# Altium PCB BitFury.PcbDoc (part 4 of 4)
Units mm, origin at the board's own origin, x right, y up, seen from the top; angles counter-clockwise.
Board outline 90.25 x 131.5 mm, 4 copper layers (Top Layer, Mid-Top Layer, Mid-Bottom Layer, Bottom Layer); 611 components, 148 nets, 2252 pads, 2038 vias.
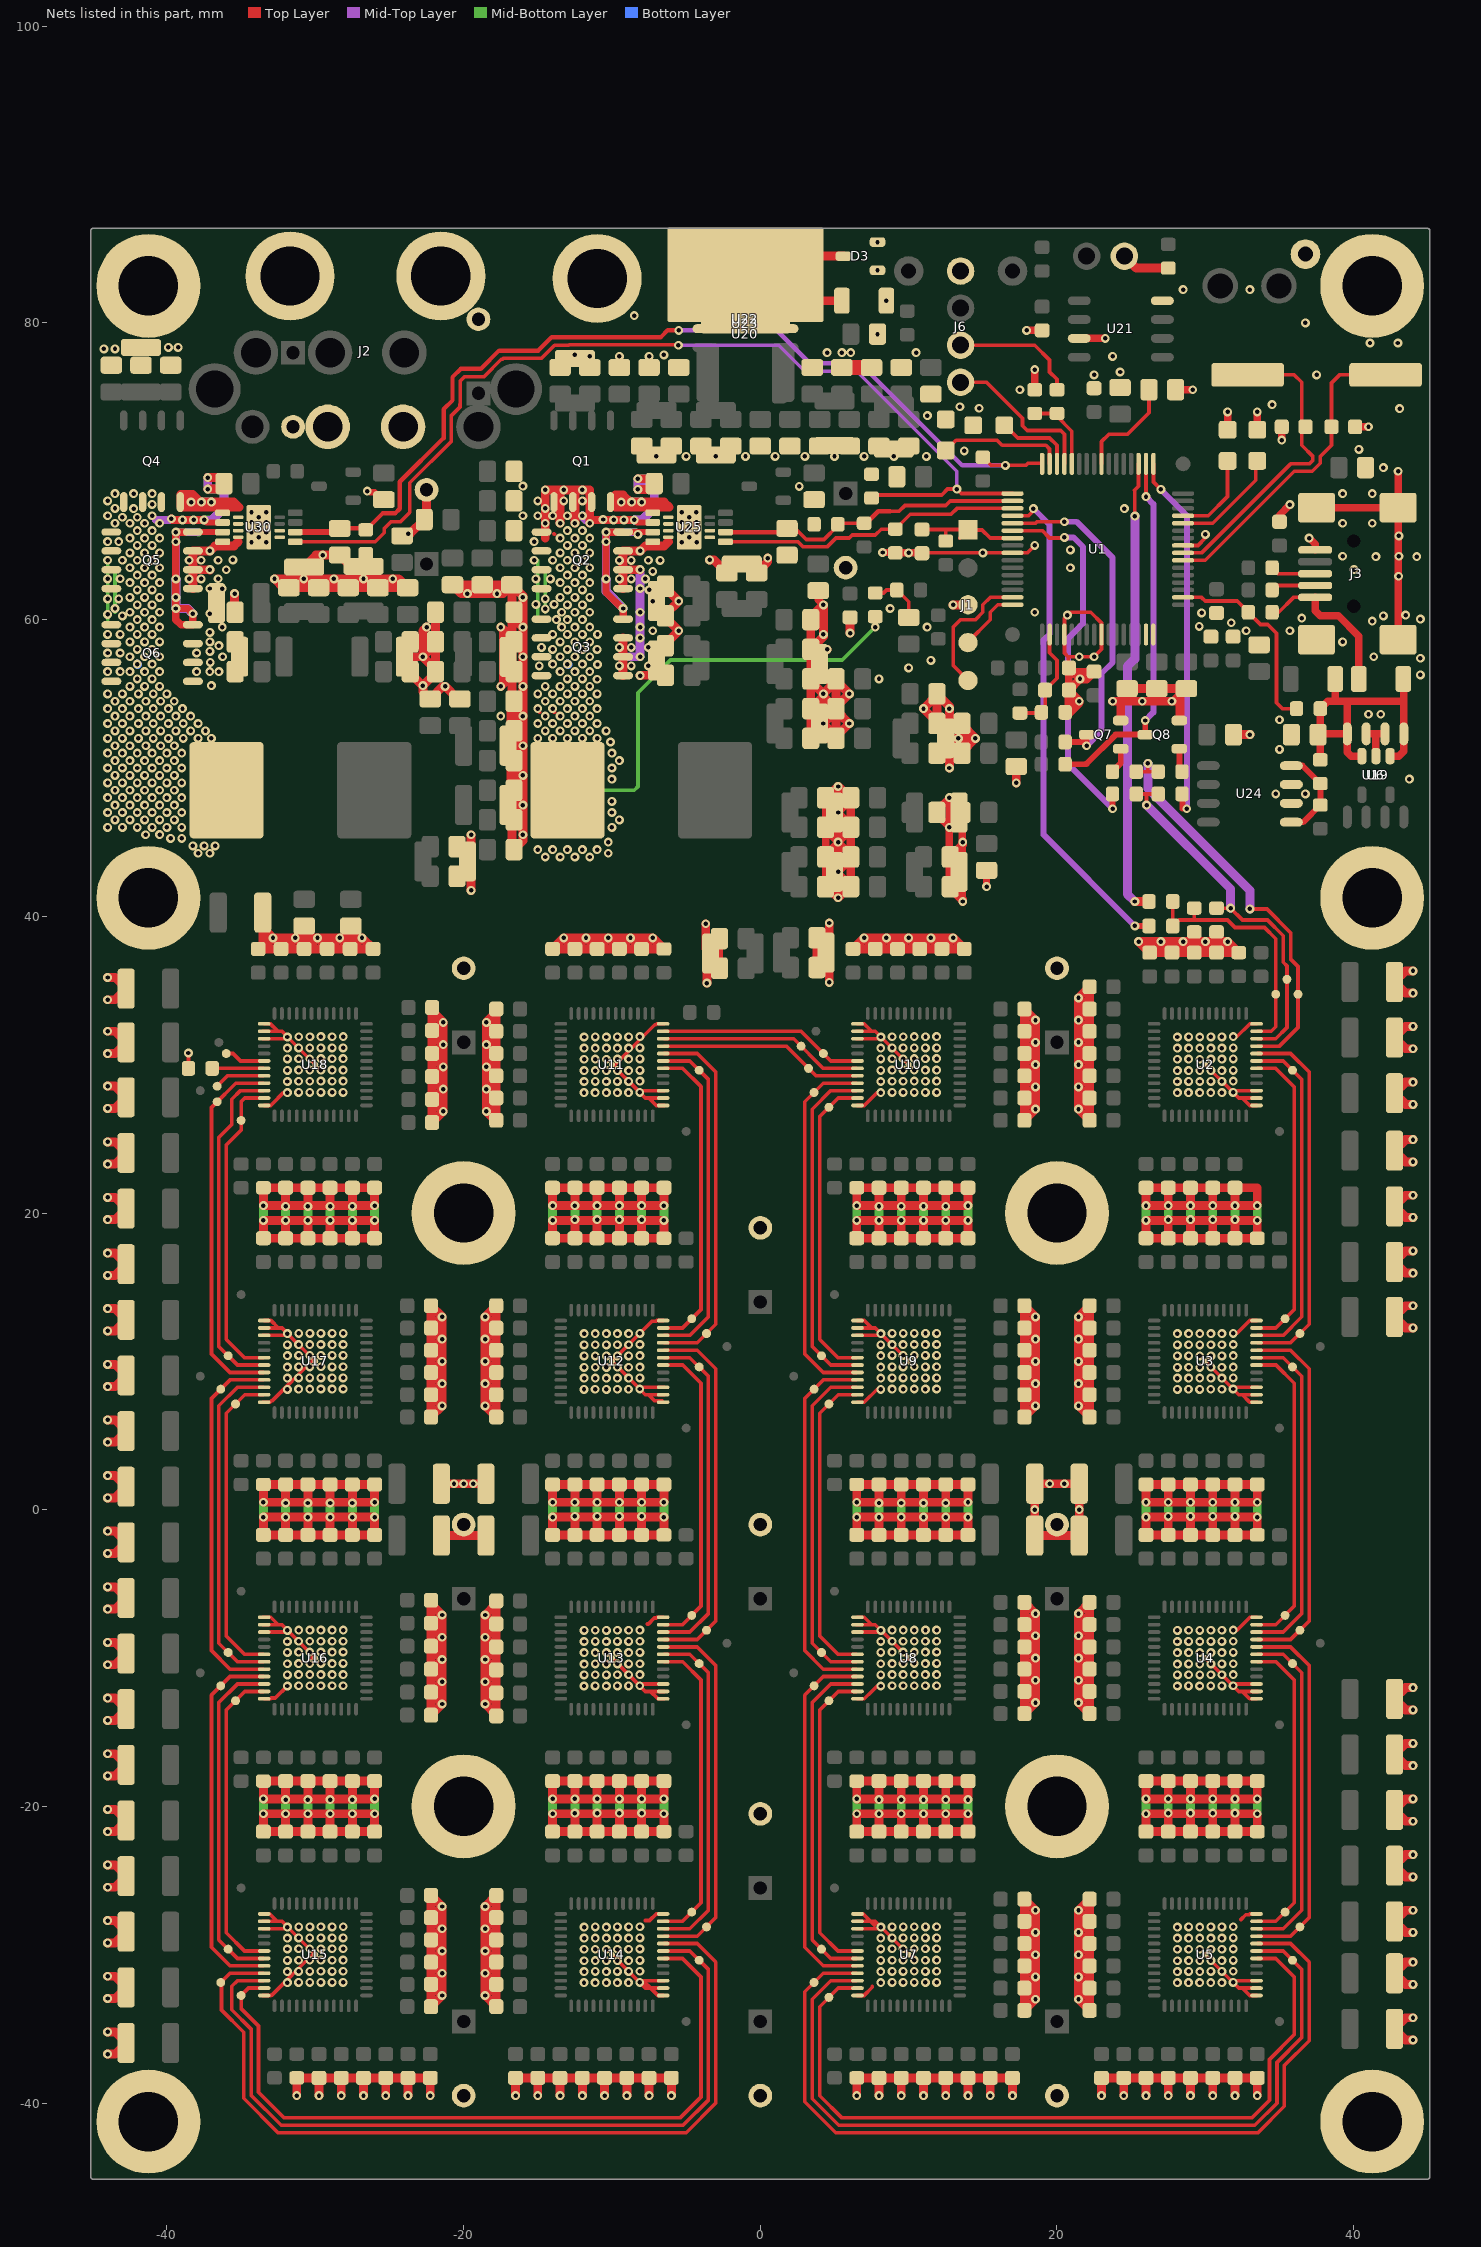
[diagram p6: the nets of this part, all layers, seen from the top]

## Via types
v1: diameter 0.6, hole 0.3, Top Layer to Bottom Layer, tented both sides, 1462 vias
v2: diameter 0.6, hole 0.3, Top Layer to Bottom Layer, 576 vias

## Nets (pads, with @x,y where several pads share a name; then routed paths per layer and width w, separated by ;. In a path a pad name is that pad's centre, name@x,y a point inside that pad or via, vN(x,y) a via of type N, cw(c..) or ccw(c..) an arc to the next point about the centre after c; other vN are vias at no path point) (continued)
GND: (continued)
  other v1: -12.5,-20.45 -8,-20.45 27.5,-20.45 32,-20.45 14,-19.55 -12.5,-0.45 -11,-0.45 -9.5,-0.45 -8,-0.45 27.5,-0.45 29,-0.45 30.5,-0.45 32,-0.45 18.5,0 21.5,0 -20.65,1.75 -20,1.75 -19.35,1.75 19.5,1.75 20.5,1.75 -12.5,19.55 -11,19.55 -9.5,19.55 -8,19.55 27.5,19.55 29,19.55 30.5,19.55 32,19.55 34.75,48.25 36.75,48.25 43.75,49.25 35,51.25 35,53.25 -17.5,53.5 41,53.625 41.825,53.625 -37,55.55 8,56 44.5,56.275 -38,56.5 -37.115,56.5 -36.5,56.5 10,56.75 -9.5,56.88 -8.7,56.88 -7.55,56.88 -37.078,57.115 11.5,57.25 44.5,57.4 -8.1,57.495 -36.25,57.5 21.5,57.5 41.35,57.5 -38,57.75 -37.1,57.865 -9.5,58.13 -8.7,58.13 -7.55,58.13 -36.5,58.25 -37.105,58.5 39.25,58.5 -8.1,58.765 -37.1,59.135 -7.25,59.25 32.75,59.25 35.7,59.25 -36.275,59.5 -8.105,59.5 11.25,59.5 29.59,59.541 31.75,59.793 41.25,59.9 44.5,60.035 36.5,60.1 42,60.25 20.7,60.3 43.5,60.3 -37.1,60.405 29.75,60.45 -8.105,60.5 18.5,60.5 8.75,60.75 -7.25,61.25 -7.5,62 -37.1,62.1 -36.275,62.095 -8.1,62.1 -38.5,62.75 -37.7,62.75 -28.75,62.75 -9.5,62.75 -8.7,62.75 -7.75,62.75 -36.55,62.755 43.025,62.925 -7.25,63.25 -37.1,63.37 -36,63.365 -8.1,63.37 40.025,63.375 20.9,63.5 -38.5,64 -37.7,64 -36.55,64.005 -9.5,64 -8.7,64 -7.55,64.005 -6.75,64 -35.55,64.025 41.5,64.25 44.25,64.25 39.25,64.275 43.05,64.275 -37.1,64.64 -8.1,64.64 20.9,64.7 -34.3,65.225 -33.3,65.225 -5.3,65.225 -4.3,65.225 -33.8,65.55 -4.8,65.55 43.05,65.65 -34.3,65.875 -33.3,65.875 -5.3,65.875 -4.3,65.875 -33.8,66.225 -4.8,66.225 39.25,66.5 41.25,66.5 -34.3,66.55 -33.3,66.55 -5.3,66.55 -4.3,66.55 -33.8,66.9 -4.8,66.9 -16,67 -34.3,67.225 -33.3,67.225 -5.3,67.225 -4.325,67.25 24.54,67.488 39.25,68.5 41.25,68.5 -16,69 2.625,68.986 42,70.25 -7,71 -5,71 -3,71 -1,71 1,71 3,71 5,71 7,71 9,71 11.2,71 13.75,71.373 40.356,71.477 11.26,73.75 43.1,74.225 14.75,74.25 13.45,74.35 34.5,74.5 17.5,75.5 22.5,76.5 37.5,76.5 24.25,76.695 -11.5,77.75 -9.5,77.75 -7.5,77.75 23.75,77.75 -12.5,77.85 -6.5,77.85 4.5,78 5.5,78 6.1,78 10.5,78 -44.25,78.25 -43.5,78.25 -39.9,78.35 -39.25,78.35 41.1,78.65 42.975,78.65 7.9,79.25 36.75,80 -8.5,80.5 8.5,81.5 28.5,82.25 33,82.25 7.9,83.55 7.9,85.45
  other v2: -31.88,-31.885 -31.12,-31.871 -30.371,-31.871 -29.625,-31.865 -28.871,-31.871 -28.12,-31.865 -11.885,-31.885 -11.135,-31.88 -10.38,-31.885 -9.635,-31.88 -8.885,-31.88 -8.125,-31.865 8.12,-31.885 8.88,-31.871 9.629,-31.871 10.375,-31.865 11.129,-31.871 11.88,-31.865 28.115,-31.885 28.865,-31.88 29.62,-31.885 30.365,-31.88 31.115,-31.88 31.875,-31.865 -31.88,-31.135 -11.88,-31.135 -11.129,-31.129 -10.375,-31.135 -9.629,-31.129 -8.88,-31.129 8.12,-31.135 28.12,-31.135 28.871,-31.129 29.625,-31.135 30.371,-31.129 31.12,-31.129 -31.12,-31.12 -30.371,-31.12 -29.625,-31.115 -28.871,-31.12 -28.12,-31.115 -8.12,-31.115 8.88,-31.12 9.629,-31.12 10.375,-31.115 11.129,-31.12 11.88,-31.115 31.88,-31.115 -11.88,-30.405 -11.129,-30.4 -10.375,-30.405 -9.629,-30.4 -8.88,-30.4 28.12,-30.405 28.871,-30.4 29.625,-30.405 30.371,-30.4 31.12,-30.4 -31.88,-30.385 -31.12,-30.371 -30.371,-30.371 -29.625,-30.365 -28.871,-30.371 -28.12,-30.365 -8.12,-30.385 8.12,-30.385 8.88,-30.371 9.629,-30.371 10.375,-30.365 11.129,-30.371 11.88,-30.365 31.88,-30.385 -11.88,-29.635 -11.129,-29.629 -10.375,-29.635 -9.629,-29.629 -8.88,-29.629 28.12,-29.635 28.871,-29.629 29.625,-29.635 30.371,-29.629 31.12,-29.629 -31.88,-29.615 -8.12,-29.615 8.12,-29.615 31.88,-29.615 -31.12,-29.6 -30.371,-29.6 -29.625,-29.595 -28.871,-29.6 -28.12,-29.595 8.88,-29.6 9.629,-29.6 10.375,-29.595 11.129,-29.6 11.88,-29.595 -31.88,-28.885 -31.12,-28.871 -30.371,-28.871 -29.625,-28.865 -28.871,-28.871 -28.12,-28.865 -11.88,-28.885 -11.129,-28.88 -10.375,-28.885 -9.629,-28.88 -8.88,-28.88 -8.12,-28.865 8.12,-28.885 8.88,-28.871 9.629,-28.871 10.375,-28.865 11.129,-28.871 11.88,-28.865 28.12,-28.885 28.871,-28.88 29.625,-28.885 30.371,-28.88 31.12,-28.88 31.88,-28.865 -31.875,-28.135 -11.88,-28.135 -11.129,-28.129 -10.375,-28.135 -9.629,-28.129 -8.88,-28.129 8.125,-28.135 28.12,-28.135 28.871,-28.129 29.625,-28.135 30.371,-28.129 31.12,-28.129 -31.115,-28.12 -30.365,-28.12 -29.62,-28.115 -28.865,-28.12 -28.115,-28.115 -8.12,-28.115 8.885,-28.12 9.635,-28.12 10.38,-28.115 11.135,-28.12 11.885,-28.115 31.88,-28.115 -11.885,-11.885 -11.135,-11.88 -10.38,-11.885 -9.635,-11.88 -8.885,-11.88 8.12,-11.885 28.115,-11.885 28.865,-11.88 29.62,-11.885 30.365,-11.88 31.115,-11.88 -31.12,-11.871 -30.371,-11.871 -29.625,-11.865 -28.871,-11.871 -28.12,-11.865 -8.125,-11.865 8.88,-11.871 9.629,-11.871 10.375,-11.865 11.129,-11.871 11.88,-11.865 31.875,-11.865 -31.88,-11.135 -31.12,-11.12 -30.371,-11.12 -29.625,-11.115 -28.871,-11.12 -28.12,-11.115 -11.88,-11.135 -11.129,-11.129 -10.375,-11.135 -9.629,-11.129 -8.88,-11.129 -8.12,-11.115 8.12,-11.135 8.88,-11.12 9.629,-11.12 10.375,-11.115 11.129,-11.12 11.88,-11.115 28.12,-11.135 28.871,-11.129 29.625,-11.135 30.371,-11.129 31.12,-11.129 31.88,-11.115 -11.88,-10.405 -11.129,-10.4 -10.375,-10.405 -9.629,-10.4 -8.88,-10.4 28.12,-10.405 28.871,-10.4 29.625,-10.405 30.371,-10.4 31.12,-10.4 -31.88,-10.385 -8.12,-10.385 8.12,-10.385 31.88,-10.385 -31.12,-10.371 -30.371,-10.371 -29.625,-10.365 -28.871,-10.371 -28.12,-10.365 8.88,-10.371 9.629,-10.371 10.375,-10.365 11.129,-10.371 11.88,-10.365 -31.88,-9.615 -11.88,-9.635 -11.129,-9.629 -10.375,-9.635 -9.629,-9.629 -8.88,-9.629 -8.12,-9.615 8.12,-9.615 28.12,-9.635 28.871,-9.629 29.625,-9.635 30.371,-9.629 31.12,-9.629 31.88,-9.615 -31.12,-9.6 -30.371,-9.6 -29.625,-9.595 -28.871,-9.6 -28.12,-9.595 8.88,-9.6 9.629,-9.6 10.375,-9.595 11.129,-9.6 11.88,-9.595 -31.88,-8.885 -11.88,-8.885 -11.129,-8.88 -10.375,-8.885 -9.629,-8.88 -8.88,-8.88 8.12,-8.885 28.12,-8.885 28.871,-8.88 29.625,-8.885 30.371,-8.88 31.12,-8.88 -31.12,-8.871 -30.371,-8.871 -29.625,-8.865 -28.871,-8.871 -28.12,-8.865 -8.12,-8.865 8.88,-8.871 9.629,-8.871 10.375,-8.865 11.129,-8.871 11.88,-8.865 31.88,-8.865 -31.875,-8.135 -31.115,-8.12 -30.365,-8.12 -29.62,-8.115 -28.865,-8.12 -28.115,-8.115 -11.88,-8.135 -11.129,-8.129 -10.375,-8.135 -9.629,-8.129 -8.88,-8.129 -8.12,-8.115 8.125,-8.135 8.885,-8.12 9.635,-8.12 10.38,-8.115 11.135,-8.12 11.885,-8.115 28.12,-8.135 28.871,-8.129 29.625,-8.135 30.371,-8.129 31.12,-8.129 -31.88,8.115 -11.885,8.115 -10.38,8.115 8.12,8.115 28.115,8.115 29.62,8.115 -31.12,8.129 -30.371,8.129 -29.625,8.135 -28.871,8.129 -28.12,8.135 -11.135,8.12 -9.635,8.12 -8.885,8.12 -8.125,8.135 8.88,8.129 9.629,8.129 10.375,8.135 11.129,8.129 11.88,8.135 28.865,8.12 30.365,8.12 31.115,8.12 31.875,8.135 -31.88,8.865 -11.88,8.865 -11.129,8.871 -10.375,8.865 -9.629,8.871 -8.88,8.871 8.12,8.865 28.12,8.865 28.871,8.871 29.625,8.865 30.371,8.871 31.12,8.871 -31.12,8.88 -30.371,8.88 -29.625,8.885 -28.871,8.88 -28.12,8.885 -8.12,8.885 8.88,8.88 9.629,8.88 10.375,8.885 11.129,8.88 11.88,8.885 31.88,8.885 -31.88,9.615 -11.88,9.595 -11.129,9.6 -10.375,9.595 -9.629,9.6 -8.88,9.6 -8.12,9.615 8.12,9.615 28.12,9.595 28.871,9.6 29.625,9.595 30.371,9.6 31.12,9.6 31.88,9.615 -31.12,9.629 -30.371,9.629 -29.625,9.635 -28.871,9.629 -28.12,9.635 8.88,9.629 9.629,9.629 10.375,9.635 11.129,9.629 11.88,9.635 -11.88,10.365 -11.129,10.371 -10.375,10.365 -9.629,10.371 -8.88,10.371 28.12,10.365 28.871,10.371 29.625,10.365 30.371,10.371 31.12,10.371 -31.88,10.385 -31.12,10.4 -30.371,10.4 -28.871,10.4 -8.12,10.385 8.12,10.385 8.88,10.4 9.629,10.4 11.129,10.4 31.88,10.385 -29.625,10.405 -28.12,10.405 10.375,10.405 11.88,10.405 -31.88,11.115 -11.88,11.115 -10.375,11.115 8.12,11.115 28.12,11.115 29.625,11.115 -31.12,11.129 -30.371,11.129 -29.625,11.135 -28.871,11.129 -28.12,11.135 -11.129,11.12 -9.629,11.12 -8.88,11.12 -8.12,11.135 8.88,11.129 9.629,11.129 10.375,11.135 11.129,11.129 11.88,11.135 28.871,11.12 30.371,11.12 31.12,11.12 31.88,11.135 -31.875,11.865 -11.88,11.865 -11.129,11.871 -10.375,11.865 -9.629,11.871 -8.88,11.871 8.125,11.865 28.12,11.865 28.871,11.871 29.625,11.865 30.371,11.871 31.12,11.871 -31.115,11.88 -30.365,11.88 -29.62,11.885 -28.865,11.88 -28.115,11.885 -8.12,11.885 8.885,11.88 9.635,11.88 10.38,11.885 11.135,11.88 11.885,11.885 -31.12,28.129 -30.371,28.129 -28.871,28.129 -11.885,28.115 -11.135,28.12 -10.38,28.115 -9.635,28.12 -8.885,28.12 8.12,28.115 8.88,28.129 9.629,28.129 11.129,28.129 28.115,28.115 28.865,28.12 29.62,28.115 30.365,28.12 31.115,28.12 -29.625,28.135 -28.12,28.135 -8.125,28.135 10.375,28.135 11.88,28.135 31.875,28.135 -31.88,28.865 -11.88,28.865 -10.375,28.865 8.12,28.865 28.12,28.865 29.625,28.865 -31.12,28.88 -30.371,28.88 -29.625,28.885 -28.871,28.88 -28.12,28.885 -11.129,28.871 -9.629,28.871 -8.88,28.871 -8.12,28.885 8.88,28.88 9.629,28.88 10.375,28.885 11.129,28.88 11.88,28.885 28.871,28.871 30.371,28.871 31.12,28.871 31.88,28.885 -11.88,29.595 -11.129,29.6 -10.375,29.595 -9.629,29.6 -8.88,29.6 28.12,29.595 28.871,29.6 29.625,29.595 30.371,29.6 31.12,29.6 -31.88,29.615 -31.12,29.629 -30.371,29.629 -28.871,29.629 -8.12,29.615 8.12,29.615 8.88,29.629 9.629,29.629 11.129,29.629 31.88,29.615 -29.625,29.635 -28.12,29.635 10.375,29.635 11.88,29.635 -11.88,30.365 -10.375,30.365 28.12,30.365 29.625,30.365 -31.88,30.385 -11.129,30.371 -9.629,30.371 -8.88,30.371 -8.12,30.385 8.12,30.385 28.871,30.371 30.371,30.371 31.12,30.371 31.88,30.385 -31.12,30.4 -30.371,30.4 -29.625,30.405 -28.871,30.4 -28.12,30.405 8.88,30.4 9.629,30.4 10.375,30.405 11.129,30.4 11.88,30.405 -31.88,31.115 -31.12,31.129 -30.371,31.129 -28.871,31.129 -11.88,31.115 -11.129,31.12 -10.375,31.115 -9.629,31.12 -8.88,31.12 8.12,31.115 8.88,31.129 9.629,31.129 11.129,31.129 28.12,31.115 28.871,31.12 29.625,31.115 30.371,31.12 31.12,31.12 -29.625,31.135 -28.12,31.135 -8.12,31.135 10.375,31.135 11.88,31.135 31.88,31.135 -31.875,31.865 -11.88,31.865 -10.375,31.865 8.125,31.865 28.12,31.865 29.625,31.865 -31.115,31.88 -30.365,31.88 -29.62,31.885 -28.865,31.88 -28.115,31.885 -11.129,31.871 -9.629,31.871 -8.88,31.871 -8.12,31.885 8.885,31.88 9.635,31.88 10.38,31.885 11.135,31.88 11.885,31.885 28.871,31.871 30.371,31.871 31.12,31.871 31.88,31.885
GREEN: D5.2 U1.62 | length 5.2
  Top Layer w0.25: D5.2@16.6,73 17.35,72.25 19.5,72.25 20,71.75 U1.62@20,70.5
HO3: Q4.4 U30.1 | length 14.5
  Top Layer w0.5: Q4.4@-39.025,67.575 -39.1,67.65 Q4.4@-39.1,67.925 ; v1(-38.375,67.925) Q4.4@-39.1,67.925 ; v1(-37.675,67.925) -38.15,68.4 ; Q4.4@-39.1,67.925 -39.1,68.469 -39.068,68.5 -38.25,68.5 -38.15,68.4 ; Q4.4@-39.1,67.925 -38.625,68.4 -38.15,68.4
  Top Layer w0.6: Q4.4@-39.025,67.575 -35.15,67.575 -35.5,67.925 v1(-37,67.925) v1(-37.675,67.925) v1(-38.375,67.925)
  Mid-Top Layer w0.6: v1(-38.375,67.925) v1(-37.675,67.925) v1(-37,67.925)
  Mid-Bottom Layer w0.6: v1(-38.375,67.925) v1(-37.675,67.925) v1(-37,67.925)
HO4: Q1.4 U25.1 | length 12.6
  Top Layer w0.6: v1(-9.375,67.925) -9.975,67.925 -9.975,67.8 -9.75,67.575 -6.15,67.575 -6.5,67.925 v1(-8,67.925) v1(-8.675,67.925) v1@-8.78,67.925 ; v1(-9.375,67.925) -9.8,68.35 -9.81,68.35 -9.76,68.4 -9.255,68.4 v1@-8.78,67.925 ; v1(-9.375,67.925) v1@-8.78,67.925
  Mid-Top Layer w0.6: v1(-9.375,67.925) v1(-8.675,67.925) v1(-8,67.925)
  Mid-Bottom Layer w0.6: v1(-9.375,67.925) v1(-8.675,67.925) v1(-8,67.925)
LDO3.3V-5.0V: R12.2 R13.1 U24.5 U24.8 | length 7.3
  Top Layer w0.4: U24.5@35.3,46.345 U24.5@35.8,46.345 36.5,46.345 36.595,46.345 R12.2@37.75,47.5 R13.1@37.75,48.95 36.545,50.155 U24.8@35.8,50.155 U24.8@35.3,50.155
LDO5.0V: C187.1 R13.2 R46.1 R47.2 R62.2 U6.1 U6.3 U19.5 U19.8 | length 23.4
  Top Layer w0.5: R13.2@37.75,50.55 37.75,52.1 C187.1@37.6,52.25 C187.1@37.65,52.3 ; R47.2@38.75,56 38.75,54.5 ; U19.8@39.52,52.25 U19.8@39.57,52.3 ; U6.3@40.55,50.8 39.83,50.8 39.57,51.06 U19.8@39.57,52.3 ; U6.1@42.45,50.8 43.05,50.8 43.38,51.13 U19.5@43.38,52.3 43.38,54.5 ; R46.1@43.35,56 43.38,55.97 43.38,54.5 ; C187.1@37.65,52.3 37.75,52.4 R62.2@37.75,54 38.25,54.5 38.75,54.5 ; C187.1@37.65,52.3 U19.8@39.57,52.3 ; 38.75,54.5 39.57,54.5 ; U19.8@39.57,52.3 39.57,54.5 ; 39.57,54.5 43.38,54.5
LMGND: D3.3 R60.2 U20.2 U22.2 U22.3 U22.4 U22.5 U22.6 U22.7 U23.2 | length 14.3
  Top Layer w0.6: R60.2@5.5,81.5 0,81.5 U20.2@-1,82.5 1,84.5 D3.3@5.6,84.5
LO3: Q5.4 Q6.4 U30.3 | length 28.9
  Top Layer w0.4: v1@-39.395,65.9 U30.3@-36.25,65.9
  Top Layer w0.5: v1@-39.395,65.905 v1(-39.4,65.9) ; Q5.4@-38.8,65.9 v1(-39.4,65.9) ; v1(-39.4,60.75) -39.4,60 -39.055,59.655 Q6.4@-38.25,59.655 v1(-38.25,60.4) -38.6,60.75 v1(-39.4,60.75) ; v1(-39.4,60.75) v1(-39.4,61.5) v1(-39.4,62.75) v1(-39.4,65.9)
  Mid-Top Layer w0.5: v1(-39.4,65.9) -37.9,65.9 -37.875,65.875
  Mid-Top Layer w0.55: v1(-39.4,62.75) v1(-39.4,65.9)
  Mid-Top Layer w0.6: v1(-39.4,62.75) v1(-39.4,61.5) v1(-39.4,60.75) -38.6,60.75 v1(-38.25,60.4)
  Mid-Bottom Layer w0.5: v1(-39.4,65.9) -37.9,65.9
  Mid-Bottom Layer w0.55: v1(-39.4,62.75) v1(-39.4,65.9) ; -37.9,65.9 -37.875,65.875
  Mid-Bottom Layer w0.6: v1(-39.4,62.75) v1(-39.4,61.5) v1(-39.4,60.75) -38.6,60.75 v1(-38.25,60.4)
  other v1: -39.4,65.25
LO4: Q2.4 Q3.4 U25.3 | length 24.7
  Top Layer w0.4: Q2.4@-8.8,65.9 U25.3@-7.25,65.9
  Top Layer w0.5: Q3.4@-9.25,60.035 v1(-9.25,60.75) -9.32,60.75 -10.4,61.83 v1(-10.4,62.75) v1(-10.4,65.9) -10.395,65.905 Q2.4@-9.25,65.905
  Mid-Top Layer w0.5: v1(-10.4,65.9) -10.2,65.9 -8.4,65.9 v1(-8.25,65.75)
  Mid-Top Layer w0.55: v1(-10.4,62.75) v1(-10.4,65.9)
  Mid-Top Layer w0.6: v1(-10.4,62.75) -10.4,61.9 v1(-9.25,60.75)
  Mid-Bottom Layer w0.55: v1(-10.4,62.75) v1(-10.4,65.9) -10.2,65.9 -8.4,65.9 v1(-8.25,65.75)
  Mid-Bottom Layer w0.6: v1(-10.4,62.75) -10.4,61.93 v1@-9.25,60.78
  other v1: -10.4,65.25
"MAIN OSC IN": C85.1 U1.39 Y1.1 | length 20.5
  Top Layer w0.25: U1.39@29.2,64 30,64 36,70 37.207,70 37.75,70.543 37.75,71 38.5,71.75 C85.1@38.5,73 38.5,75.95 39.05,76.5 Y1.1@41.825,76.5
"MAIN OSC OUT": C86.1 U1.40 Y1.2 | length 20.9
  Top Layer w0.25: U1.40@28.4,64.5 29.75,64.5 35.75,70.5 37,70.5 37.25,70.75 37.25,71 36.5,71.75 36.5,76 36,76.5 Y1.2@32.85,76.5
MCLR: C72.1 J1.1 R9.1 U1.7 | length 7.8
  Top Layer w0.25: 15.975,65.5 U1.7@16.95,65.5
  Top Layer w0.254: C72.1@10.9,66.075 12.5,66.075 ; R9.1@12.5,65.3 12.5,66.075 ; J1.1@13.45,65.5 J1.1@14,66.05 ; 15.975,65.5 15.5,65.5 14.95,66.05 J1.1@14,66.05 ; 12.5,66.075 13.975,66.075 J1.1@14,66.05
MCU_MISO0: Q7.3 R1.1 U1.5 | length 23.5
  Top Layer w0.25: U1.5@17,66.5 18.55,66.5 18.65,66.6 v1(20.5,66.6)
  Top Layer w0.4: R1.1@20.55,51.75 21.75,51.75 v1(22,51.5) Q7.3@22,52.25
  Mid-Top Layer w0.4: v1(20.5,66.6) 21.325,66.6 23.75,64.175 23.75,57.115 23,56.365 23,52.5 v1(22,51.5)
MCU_MISO1: Q8.3 R7.2 U1.50 | length 24.9
  Top Layer w0.25: U1.50@26,70.5 v1(26,68.29) v1@26.04,68.25
  Top Layer w0.4: R7.2@20.55,50.25 22,50.25 22,50.298 23.952,52.25 Q8.3@25.95,52.25 v1(25.95,53.2)
  Mid-Top Layer w0.4: v1(25.95,53.2) 26.5,53.75 26.5,67.79 v1@26.04,68.25
MCU_MOSI0: R3.2 U1.6 | length 25.6
  Top Layer w0.25: U1.6@17,66 19,66 19.5,65.5 20.45,65.5 v1(20.5,65.55)
  Top Layer w0.4: R3.2@23.74,48.25 23.75,48.24 v1(23.75,47.25)
  Mid-Top Layer w0.4: v1(20.5,65.55) 21.111,65.55 21.75,64.911 21.75,59.75 20.75,58.75 20.75,50.25 v1(23.75,47.25)
MCU_MOSI1: R10.2 U1.49 | length 25.2
  Top Layer w0.25: U1.49@26.5,70.5 26.5,69.275 v1(27,68.775)
  Top Layer w0.4: R10.2@28.427,48.25 28.45,48.227 28.45,47.25
  Mid-Top Layer w0.4: v1(27,68.775) 28.75,67.025 v1(28.75,47.25)
MCU_SCK0: R5.2 U1.4 | length 34
  Top Layer w0.25: U1.4@17,67 18.075,67 18.413,67.337 v1(18.413,67.488)
  Top Layer w0.4: v1(25.25,39.35) R5.2@26.2,39.35
  Mid-Top Layer w0.4: v1(18.413,67.488) 19.5,66.4 19.5,59.019 19.1,58.619 19.1,45.5 v1(25.25,39.35)
MCU_SCK1: R11.2 U1.51 | length 31
  Top Layer w0.25: v1(25.25,66.975) 25.25,68.705 25.23,68.725 25.5,68.995 U1.51@25.5,70.5
  Top Layer w0.6: v1(25.25,41) R11.2@26.2,41
  Mid-Top Layer w0.6: v1(25.25,41) 24.75,41.5 24.75,56.85 25.25,57.35 v1(25.25,66.975)
MEAS12: C325.1 R57.2 R61.2 U1.18 | length 7.8
  Top Layer w0.25: R57.2@17.5,53.7 19.2,53.7 19.25,53.75 19.2,53.8 C325.1@19.2,55.25 20,56.05 ; U1.18@19.5,59 19.5,57.768 20,57.268 20,56.05 ; 20,56.25 20,56.05
NetC209_1: C209.1 R36.1 R37.2 | length 3.7
  Top Layer w0.25: R36.1@7.75,61.8 8.3,61.8 8.5,62 R37.2@9.2,62 10,61.2 C209.1@10,60.15
NetJ4_2: J4.2 R41.1 | length 3.3
  Top Layer w0.6: J4.2@24.54,84.5 25.34,83.7 R41.1@27.5,83.7
NetQ7_1: Q7.1 R2.2 | length 1.8
  Top Layer w0.4: R2.2@23.74,49.75 24.3,50.31 Q7.1@24.3,51.3
NetQ8_1: Q8.1 R8.2 | length 1.6
  Top Layer w0.4: Q8.1@28.25,51.3 28.25,49.927 R8.2@28.427,49.75
ORANGE: D7.2 U1.45 | length 5.9
  Top Layer w0.25: U1.45@28.5,67 30.2,67 31.5,68.3 D7.2@31.5,70.7
PGC: J1.5 U1.15 | length 9.1
  Top Layer w0.25: J1.5@14,55.9 13,56.9 13,59.5 13.5,60 14.5,60 15,60.5 15,61 15.5,61.5 U1.15@17,61.5
PGD: J1.4 U1.16 | length 4.4
  Top Layer w0.25: J1.4@14,58.45 14,58.5 15.5,60 15.5,60.5 16,61 U1.16@17,61
PWM: J6.4 U1.61 | length 10.7
  Top Layer w0.25: J6.4@13.5,76 15.25,76 17.675,73.575 17.675,73.075 18,72.75 20.25,72.75 20.5,72.5 U1.61@20.5,70.5
PWM3H: R59.2 U1.1 U30.5 | length 68.5
  Top Layer w0.25: U30.5@-31.35,65.25 -25.95,65.25 -25.35,65.85 -25.35,66.15 -24.9,66.6 -24.255,66.6 ; -24.1,66.755 -24.255,66.6 ; v1@-5.5,78.65 -5.525,78.65 -5.65,78.525 -10.417,78.525 -12.883,78.525 -12.908,78.5 -13.867,78.5 -14.175,78.192 -14.752,77.615 -15.601,77.615 -17.319,77.615 -17.384,77.55 -17.458,77.55 -18.633,76.375 -19.935,76.375 -20.225,76.085 -20.225,74.533 -20.25,74.508 -20.25,74.331 -20.825,73.756 -20.825,72.244 -20.825,72.024 -23.625,69.224 -23.625,67.23 -24.255,66.6 ; R59.2@7.5,68.2 R59.2@7.7,68.4 ; R59.2@7.6,68.4 R59.2@7.7,68.4 ; U1.1@17,68.5 13.55,68.5 v1(13.25,68.8) 12.625,68.8 12.225,68.4 R59.2@7.7,68.4
  Mid-Top Layer w0.25: v1(-5.525,78.5) 1.25,78.5 3,76.75 3.108,76.75 6.5,76.75 13.25,70 v1(13.25,68.8)
PWM3L: C311.1 R14.2 R18.2 U1.64 U30.6 | length 64.7
  Top Layer w0.25: R18.2@15,70.95 15.55,70.4 v1(16.525,70.4) 17.907,70.4 18.05,70.543 18.957,70.543 U1.64@19,70.5
  Top Layer w0.3: C311.1@-28.35,66.15 -26.475,66.15 -25.464,67.161 -24.623,67.161 -24.3,67.484 -24.3,69.292 -21.35,72.242 -21.35,74.175 -20.75,74.775 -20.75,76.35 -20.2,76.9 -18.85,76.9 -17.61,78.14 -14.969,78.14 -14.059,79.05 -6.7,79.05 -6.25,79.5 v1(-5.5,79.5)
  Top Layer w0.4: U30.6@-31.35,65.9 -28.6,65.9 C311.1@-28.35,66.15
  Mid-Top Layer w0.3: v1(-5.5,79.5) 1.1,79.5 3.325,77.275 6.725,77.275 13.6,70.4 v1(16.525,70.4)
PWM4H: R40.2 U1.3 U25.5 | length 20.6
  Top Layer w0.25: U25.5@-2.45,65.25 2.542,65.25 2.887,64.904 4.503,64.904 5.098,65.5 6,65.5 6.2,65.7 7.75,65.7 8.15,66.1 R40.2@9.1,66.1 10.1,67.1 12.863,67.1 13.263,67.5 U1.3@16.95,67.5
PWM4L: C252.1 R15.2 R16.2 U1.2 U25.6 | length 20.6
  Top Layer w0.25: C252.1@1.8,66.15 2.349,66.15 3.094,65.404 4.296,65.404 5.225,66.334 R15.2@5.225,66.425 5.3,66.5 R16.2@7,66.5 ; 8.75,67.3 9.35,67.3 9.75,67.7 12.5,67.7 12.8,68 U1.2@17,68